# Altium PCB SPCB.PcbDoc (continued)
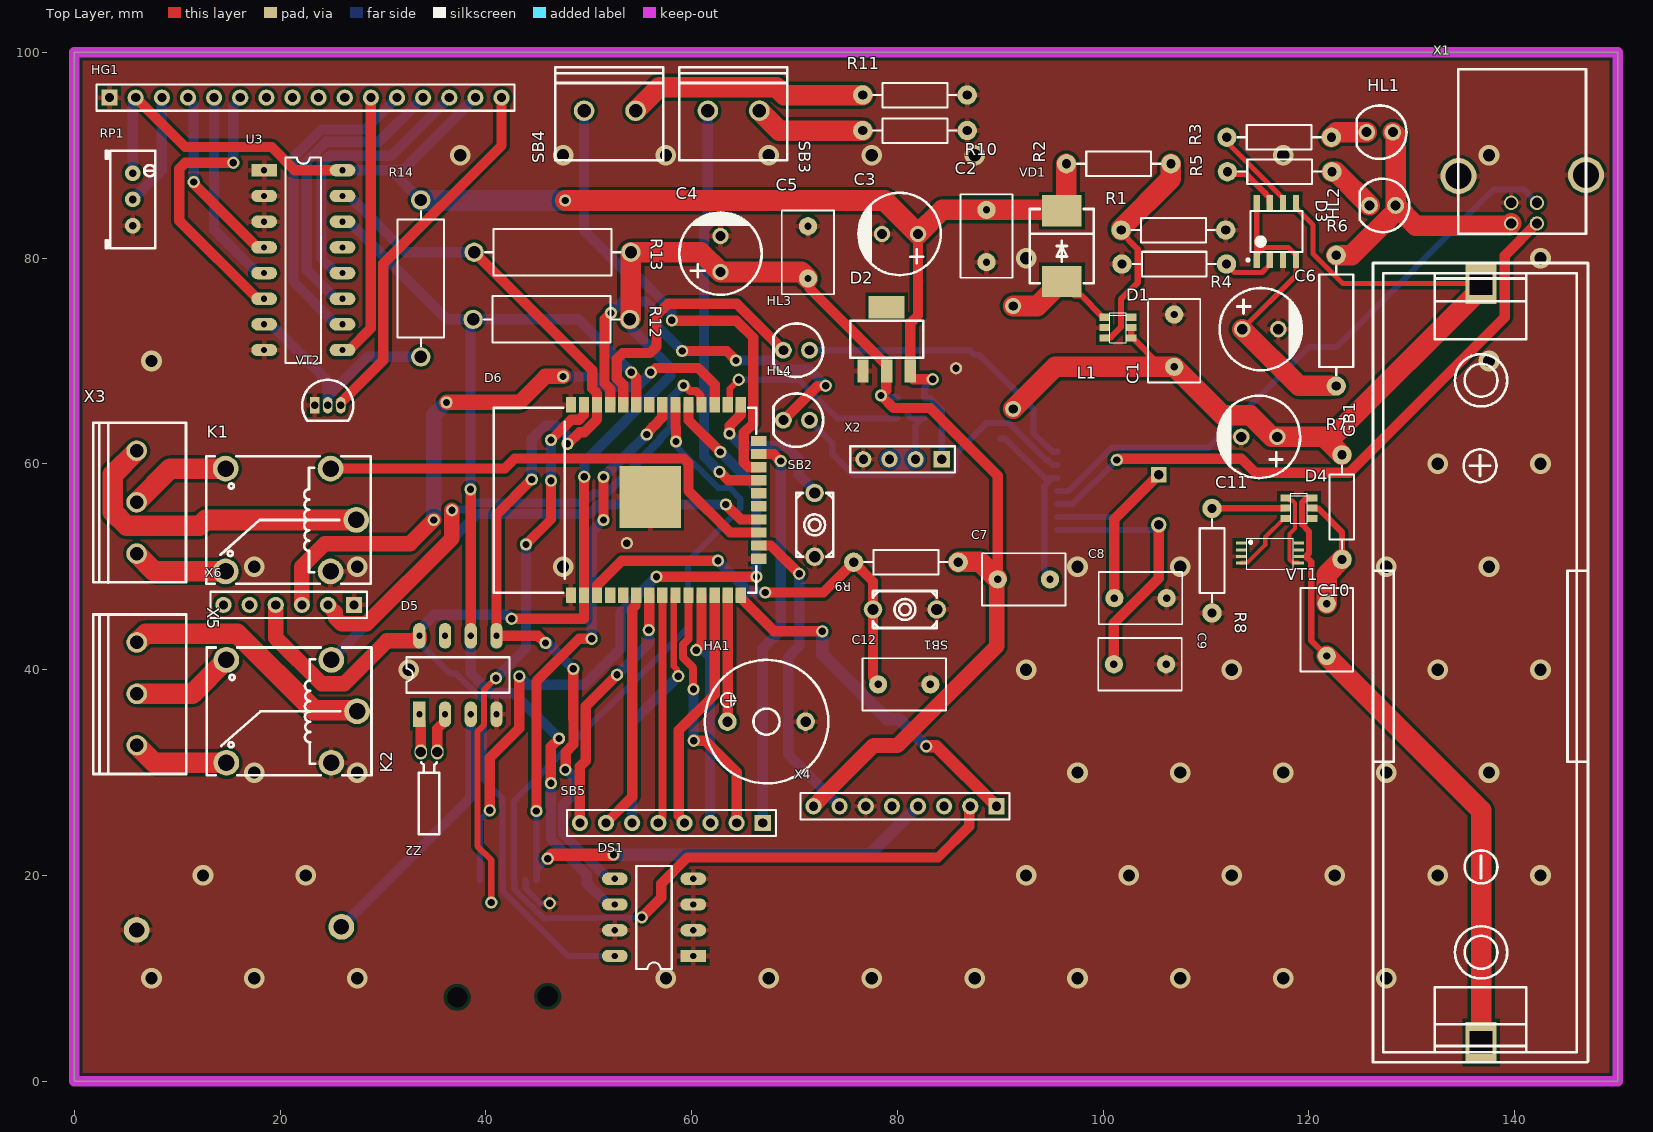
[diagram p0: Top Layer view]
## Footprints (in the part's own frame and the unit in brackets; to place one, negate y for a bottom-side part, rotate by r counter-clockwise, add the part's x,y. Pads: shape width x height; smd on the part's side, far side on the other; paste and mask are expansions set on the pad) (continued)
"X PBS-16" [mil]
  rect 62x62 hole 35: 1(-750,0)
  round 62 hole 35: 2(-650,0) 3(-550,0) 4(-450,0) 5(-350,0) 6(-250,0) 7(-150,0) 8(-50,0) 9(50,0) 10(150,0) 11(250,0) 12(350,0) 13(450,0) 14(550,0) 15(650,0) 16(750,0)
  silkscreen extent -800,-50 800,50, body extent -801,-50 799,50, height 326
"X PLS-4R" [mil]
  rect 62x62 hole 35: 1(-150,0)
  round 62 hole 35: 2(-50,0) 3(50,0) 4(150,0)
  silkscreen extent -200,-50 200,50, body extent -200,-47 200,293, height 219
"X PLS-6" [mil]
  rect 62x62 hole 35: 1(-250.24,-0.28)
  round 62 hole 35: 2(-150.24,-0.28) 3(-50.24,-0.28) 4(49.76,-0.28) 5(149.76,-0.28) 6(249.76,-0.28)
  silkscreen extent -300,-50 300,50, body extent -300,-50 300,50, height 336
"X PLS-8" [mil]
  rect 62x62 hole 35: 1(-349.21,0)
  round 62 hole 35: 2(-249.21,0) 3(-149.21,0) 4(-49.21,0) 5(50.79,0) 6(150.79,0) 7(250.79,0) 8(350.79,0)
  silkscreen extent -399,-50 401,50, body extent -399,-49 401,51, height 336
"X USBB-1J" [mm]
  round 1.4 hole 1: 1(7.001,-1.069) 2(7.001,1.43) 3(5.001,1.43) 4(5.001,-1.069)
  round 3.5 hole 2.5: 4(2.291,6.201) 4(2.4,-6.2)
  silkscreen extent -8,-6.2 8.02,6.2, body extent -8.05,-7.13 8.05,7.18, height 10.82
"Z DT-26" [mm]
  oval 1.2x1.5 hole 1: 1(-0.8,-1) 2(0.8,-1)
  silkscreen extent -1,-0.02 1,7, body extent -0.99,-0.57 1,6.57, height 2
"Z HC-49" [mm]
  rect 1.5x1.5 hole 0.9: 1(-2.438,0)
  round 1.5 hole 0.9: 2(2.438,0)
  silkscreen extent -5.74,-2.5 5.74,2.5, body extent -5.4,-2.25 5.4,2.25, height 3.5

## Part data
D1: "Повышающий преобразователь.", Case=SOT-23-6, Manufacturer=AEROSEMI, ComponentLink1Description=HelpURL, ComponentLink2Description=Datasheet, ComponentLink2URL=https://prom-electric.ru/media/MT3608.pdf, ComponentLink3Description=Store, Model=MT3608
D2: library part AMS1117, "Стабилизатор напряжения.", Case=SOT-223, Manufacturer="Advanced Monolithic Systems", Voltage=3.3, ComponentLink1Description=Datasheet, ComponentLink1URL=http://www.advanced-monolithic.com/pdf/ds1117.pdf, ComponentLink2Description=Store, ComponentLink2URL=https://aliexpress.ru/item/4000453803123.html?spm=a2g0s.9042311.0.0.543133edCjZ4Pa, Model=AMS1117-3.3
D3: library part TP4056, "Контроллер зарядки батарейки.", Case=SOP-8, Manufacturer="NanJing Top Power ASIC Corp.", ComponentLink1Description=Datasheet, ComponentLink1URL=https://static.chipdip.ru/lib/977/DOC002977110.pdf, ComponentLink2Description=Store, ComponentLink2URL=https://aliexpress.ru/item/32982194674.html?spm=a2g0s.9042311.0.0.75c333eday2Luc, ComponentLink3Description=HelpURL, Model=TP4056E
D4: library part DW01, "Защита для литиевого аккумулятора.", Case=SOT-23-6, Manufacturer="Shenzhen H&M Semiconductor Co. Ltd.", ComponentLink1Description=Datasheet, ComponentLink1URL=http://hmsemi.com/downfile/DW01A.PDF, ComponentLink2Description=Store, ComponentLink2URL=https://aliexpress.ru/item/32984691553.html?spm=a2g0s.9042311.0.0.543133edCjZ4Pa, ComponentLink3Description=HelpURL, Model=DW01A
D5: "Часы реального времени.", Manufacturer="Dallas Semiconductor", ComponentLink1Description=HelpURL, ComponentLink2Description=Datasheet, ComponentLink2URL=https://www.sparkfun.com/datasheets/Components/DS1307.pdf, ComponentLink3Description=Store, Model=DS1307
D6: library part ESP32-WROOM, Manufacturer="Espressif Systems", ComponentLink1Description=Datasheet, ComponentLink1URL=https://www.espressif.com/sites/default/files/documentation/esp32-wroom-32_datasheet_en.pdf, ComponentLink2Description=Store, ComponentLink3Description=HelpURL, Model=ESP32-WROOM-32
DS1: library part AT24C, "Перезаписываемая постоянная память.", Case=PDIP-8, Manufacturer=Atmel, ComponentLink1Description=Datasheet, ComponentLink1URL=http://ww1.microchip.com/downloads/en/devicedoc/atmel-8720-seeprom-at24c512c-datasheet.pdf, ComponentLink2Description=HelpURL, ComponentLink2URL=https://www.microchip.com/wwwproducts/en/AT24C512C, ComponentLink3Description=Store, ComponentLink3URL=https://aliexpress.ru/item/32598383117.html?spm=a2g0s.9042311.0.0.3da233edDDspR7, Device Revision=B, Memory Size="512 kbit", Model=AT24C512PI27
GB1: library part Батарея, Capacity=2200mAh, Case=18650, Manufacturer=LG, ComponentLink1Description=Store, ComponentLink2Description=HelpURL, ComponentLink3Description=Datasheet, ComponentLink3URL=https://www.tme.eu/Document/851884e7c9339fa73b5bf66663baac51/ACCU-ICR18650-2.2.pdf, Model=LGAAS31865, Voltage=3.6V
GB2: library part Батарея, Case=CR2032, ComponentLink1Description=Store, ComponentLink2Description=HelpURL, ComponentLink3Description=Datasheet, Voltage=3.3V
HA1: library part Пьездодинамик, ComponentLink1Description=Datasheet, ComponentLink2Description=Store, Model=TMB12A05
HG1: library part "LCD HD44780", "Дисплей на основе контроллера HD44780.", CharacterResolution=5x7, ComponentLink1Description=Store, ComponentLink2Description=Datasheet, ComponentLink3Description=HelpURL, Model=LCD1602, ScreenResolution=16x2, Type=LCD
HL1 HL3: library part Светодиод, Case=D5.0, Color=Red, ComponentLink1Description=Datasheet, ComponentLink2Description=HelpURL, ComponentLink3Description=Store, Model=LED-Red
HL2: library part Светодиод, Case=D5.0, Color=Blue, ComponentLink1Description=Datasheet, ComponentLink2Description=HelpURL, ComponentLink3Description=Store, Model=LED-Blue
HL4: library part Светодиод, Case=D5.0, Color=Green, ComponentLink1Description=Datasheet, ComponentLink2Description=HelpURL, ComponentLink3Description=Store, Model=LED-Blue
K1 K2: library part "Реле SRD-05VDC", Manufacturer="Ningbo Songle", MaxCurrent=20A, Temperature=-40...+85°C, VoltageControlCoil=5VDC, VoltageMax=250VAC, ComponentLink1Description=Store, ComponentLink2Description=Datasheet, ComponentLink2URL=https://www.circuitbasics.com/wp-content/uploads/2015/11/SRD-05VDC-SL-C-Datasheet.pdf, ComponentLink3Description=HelpURL, Model=SRA-05VDC-CL, TypeRelay="Electromechanics relay"
L1: library part "Катушка индуктивности", Case=D13xH14, Manufacturer=Bourns, ComponentLink1Description=HelpURL, ComponentLink2Description=Datasheet, ComponentLink2URL=https://static.chipdip.ru/lib/229/DOC000229038.pdf, ComponentLink3Description=Store, ComponentLink3URL=https://www.chipdip.ru/product/rlb1314-220kl, Model=RLB1314-220KL
R1 R2 R3 R4 R5 R7 R8: library part "Резистор 0.25 Вт", Case=Axial, Power=0.25, ComponentLink1Description=Datasheet, ComponentLink2Description=HelpURL, ComponentLink3Description=Store
  R1: ComponentLink3URL=https://www.chipdip.ru/product0/62558
  R2: ComponentLink3URL=https://www.chipdip.ru/product0/37292
R6: library part "Резистор 0.5 Вт", Case=Axial, Power=0.5, ComponentLink1Description=Datasheet, ComponentLink2Description=HelpURL, ComponentLink3Description=Store
R9 R10 R11: library part "Резистор 0.25 Вт", Power=0.25, ComponentLink1Description=Datasheet, ComponentLink2Description=HelpURL, ComponentLink3Description=Store
R12 R13 R14: library part "Резистор 1 Вт", Case=Axial, Power=1, ComponentLink1Description=Datasheet, ComponentLink2Description=HelpURL, ComponentLink3Description=Store, ComponentLink3URL=https://www.chipdip.ru/product0/1122?from=suggest_product, Model=CF-1W-4K7J
RP1: library part "Подстроечный Резистор", ComponentLink1Description=Datasheet, ComponentLink2Description=HelpURL, ComponentLink3Description=Store
SB1 SB2 SB3 SB4: library part Кнопка, ComponentLink1Description=Store, ComponentLink2Description=Datasheet, ComponentLink3Description=HelpURL, Model=TC-0120
U1: "Преобразователя интерфейса USB в UART.", Case=SOP-16, Manufacturer="Nanjing Qinheng Microelectronics Co. Ltd.", ComponentLink1Description=HelpURL, ComponentLink1URL=http://mypractic.ru/mikrosxema-ch340g-preobrazovatel-interfejsa-usb-v-uart-most-usb-uart-xarakteristiki-usloviya-ekspluatacii-tipovye-sxemy-vklyucheniya.html, ComponentLink2Description=Datasheet, ComponentLink2URL=http://www.wch-ic.com/products/CH340.html?from=search&q=eyJpdiI6InNwMEdrWnhCbzlTczZhZUM2cncxVHc9PSIsInZhbHVlIjoia0FTMDlncDFNZ29zQmJ2ZGJZOTBCZz09IiwibWFjIjoiZGE4NTAzZGQ0ZWQzNzFmMTZkZWFhMWYwOTExNzExNWI5YjhlMzUwMjE3NzYxMzc5MWI2ZmFmZTVlMDQ3ZDAwZiJ9, ComponentLink3Description=Store, Model=CH340G
U2: "Преобразователь уровня логического сигнала.", Case=SOT23-6, Manufacturer="Texas Instruments", ComponentLink1Description=HelpURL, ComponentLink2Description=Datasheet, ComponentLink2URL=http://www.ti.com/lit/ds/symlink/sn74lvc1t45.pdf, ComponentLink3Description=Store, ComponentLink3URL=https://www.chipdip.ru/product/sn74lvc1t45dbvr, Model=SN74LVC1T45
U3: library part PCF8574, "IIC расширитель.", ComponentLink1Description="Datasheet №1", ComponentLink1URL=https://www.nxp.com/docs/en/data-sheet/PCF8574_PCF8574A.pdf, ComponentLink2Description="Datasheet №2", ComponentLink2URL=http://www.ti.com/lit/ds/symlink/pcf8574.pdf, ComponentLink3Description=HelpURL, ComponentLink4Description=Store, Model=PCF8574P
VD1: library part "Диод Шотки", Case=SMC, ComponentLink1Description=Datasheet, ComponentLink2Description=HelpURL, ComponentLink3Description=Store, ComponentLink3URL=https://www.chipdip.ru/product/ss34-5, Model=SS34
VT1: library part FS8205, "Транзисторная сборка. Если корпус SOIC-8, то смотри подробное условное обозначение. Пины 2 и 5 находятся по середине, в внутренней схеме они соеденины.", Case=TSSOP-8, Manufacturer="Fortune Semiconductor Corp.", ComponentLink1Description=Datasheet, ComponentLink1URL=https://www.ic-fortune.com/upload/Download/FS8205A-DS-12_EN.pdf, ComponentLink2Description="Detailed symbol", ComponentLink2URL=https://go-radio.ru/images/8205a.png, ComponentLink3Description=Store, ComponentLink3URL=https://aliexpress.ru/item/4000453813065.html?spm=a2g0s.9042311.0.0.75c333eday2Luc, ComponentLink4Description=HelpURL, Model=FS8205A
VT2: library part "Биполярный Транзистор", ComponentLink1Description=Datasheet, ComponentLink2Description=HelpURL, ComponentLink3Description=Store, Model=SS8050
X1: library part "USB B", Manufacturer=Molex, ComponentLink1Description=Store, ComponentLink1URL=https://www.chipdip.ru/product/usbb-1j-ds1099-b, ComponentLink2Description=Datasheet, ComponentLink3Description=HelpURL, Model=USBB-1J, TypeConnector="USB B"
X2 X6: CurrentMax=3A, Manufacturer=Connfly, VoltageMax=500VAC, ComponentLink1Description=Store, Pitch=2.54mm, TypeConnector=Connector
  X2: CommentText=HC-SR04, Model=PLS-4, Multichannel=4pin, Text1=Vcc, Text2=Trip, Text3=Echo, Text4=GND
  X6: CommentText=FPM10A, Model=PLS-6, Multichannel=6pin, Text1=GND, Text2=RX, Text3=TX, Text4=Vcc, Text5=NC, Text6=NC
X3 X5: library part "Винтовой Клеммник 3 Pin", CurrentMax=10A, VoltageMax=300VAC, CommentText="\"Разъем для", Model=306-031-12, Multichannel=3pin, Pitch=3.5mm, Text1=OUT, Text2=NO, Text3=NC, TypeConnector="Terminal connector"
X4: library part PLS/PBS-8, CurrentMax=3A, VoltageMax=500VAC, CommentText=RC522, ComponentLink1Description=Store, Model=PLS-8, Multichannel=8pin, Pitch=2.54mm, Text1=RX/SDA/SS, Text2=SCK, Text3=MOSI, Text4=TX/SCL/MISO, Text5=IRQ, Text6=GND, Text7=RST, Text8=Vcc, TypeConnector=Connector
XS1: "Слот для карты памяти.", Manufacturer=Molex, ComponentLink1Description=Store, ComponentLink2Description=Datasheet, ComponentLink3Description=HelpURL, ComponentLink3URL=https://kicad-info.s3-us-west-2.amazonaws.com/original/2X/8/8d1dbfabaa90b65dad4965a185d7e55230d35003.png, TypeConnector=microSD
Z1 Z2: library part "Кварцевый Резонатор", ComponentLink1Description=Store, ComponentLink2Description=Datasheet, ComponentLink3Description=HelpURL
  Z1: Frequency=12MHz, Model=HC-49
  Z2: Frequency=32.768kHz
С1 С2: library part Конденсатор, Case=1206, Voltage=50, ComponentLink1Description=Datasheet, ComponentLink2Description=HelpURL, ComponentLink3Description=Store
С3: library part "Конденсатор Полярный", Case=D8, Manufacturer=JB, Voltage=50V, ComponentLink1Description=Datasheet, ComponentLink1URL=https://static.chipdip.ru/lib/338/DOC004338199.pdf, ComponentLink2Description=HelpURL, ComponentLink3Description=Store, ComponentLink3URL=https://www.chipdip.ru/product0/9000565894, Model=JRB1H101M03500800120000B
С4: library part "Конденсатор Полярный", Case=D8, Manufacturer=JB, Voltage=16V, ComponentLink1Description=Datasheet, ComponentLink1URL=https://static.chipdip.ru/lib/338/DOC004338199.pdf, ComponentLink2Description=HelpURL, ComponentLink3Description=Store, ComponentLink3URL=https://www.chipdip.ru/product0/9000565914, Model=JRB1C471M03500800120000B
С5 С7 С10 С12: library part Конденсатор, Case=0805, Voltage=50, ComponentLink1Description=Datasheet, ComponentLink2Description=HelpURL, ComponentLink3Description=Store, ComponentLink3URL=https://www.chipdip.ru/product0/77059545, Model=К10-17Б
С6 С11: library part "Конденсатор Полярный", Case=D8, Manufacturer=EPCOS, Voltage=160V, ComponentLink1Description=Datasheet, ComponentLink1URL=https://static.chipdip.ru/lib/279/DOC000279577.pdf, ComponentLink2Description=HelpURL, ComponentLink3Description=Store, ComponentLink3URL=https://www.chipdip.ru/product0/9000383641, Model=B43851
С8 С9: library part Конденсатор, ComponentLink1Description=Datasheet, ComponentLink2Description=HelpURL, ComponentLink3Description=Store

## Free pads (board coordinates)
  round 1.194 hole 0.711: 3(15.45,89.275) 10(38.5,57.525) 13(44.464,58.489) 14(47.925,61.95) 15(49.55,58.75) 16(58.475,62.175) 17(44.908,26.258) 18(50.275,43) 19(51.425,54.55) 20(51.425,58.725) 21(55.625,62.85) 22(40.375,26.325) 23(43.25,39.35) 26(62.788,61.162) 27(66.3,49.025) 28(56.575,49.025) 29(83.425,68.226) 30(78.4,66.65) 31(64.575,68.175) 32(52.155,74.675) 33(59.074,70.975) 34(64.3,70.05) 35(73.025,67.6) 37(60.2,33.1) 38(60.175,38.1) 40(60.45,41.9) 42(58.7,39.375) 43(52.75,39.5) 45(55.825,43.85) 46(68.65,60.275) 48(40.525,17.375) 49(40.975,39.175) 50(43.9,52.175) 51(46.325,62.326) 52(46.325,58.375) 53(46.325,28.975) 55(47.113,33.313) 57(42.5,44.95) 58(47.725,30.275) 61(48.5,40.075) 62(45.8,42.6) 63(34.925,54.55) 64(36.175,65.975) 65(47.5,68.5) 66(56.025,68.9) 67(36.7,55.5) 69(59.2,67.625) 70(63.675,62.95) 73(62.55,50.6) 74(67.15,47.5) 75(70.45,49.325) 76(52.4,22.025) 77(46.013,21.638) 78(82.8,32.55) 79(72.7,43.725) 80(55.15,15.925) 81(101.325,60.375) 84(47.7,85.6) 85(46.2,17.3) 87(53.7,52.3) 88(85.7,69.3) ""(11.597,87.399) ""(54.125,68.9) ""(58.075,73.95) ""(62.7,59.225) ""(63.325,56.05)

## Via types
v1: diameter 2, hole 1.2, Top Layer to Bottom Layer, 52 vias

## Nets (pads, with @x,y where several pads share a name; then routed paths per layer and width w, separated by ;. In a path a pad name is that pad's centre, name@x,y a point inside that pad or via, vN(x,y) a via of type N, cw(c..) or ccw(c..) an arc to the next point about the centre after c; other vN are vias at no path point)
+3.3: D2.2 D5.8 D6.2 DS1.8 pad.15 pad.30 pad.57 R9.2 R12.2 R13.2 U2.6 X4.8 X6.4 XS1.4 С4.1 С5.2 С7.1 | length 215.3
  Top Layer w1: pad.57@42.625,44.95 49.532,44.936 D6.2 49.532,57.73 pad.15 ; С5.2 71.449,77.871 71.449,77.082 78.955,69.576 D2.2 78.905,68.976 78.905,67.155 ; pad.30 79.625,65.425 83.175,65.425 89.745,58.855 С7.1
  Top Layer w1.2: С7.1@89.634,48.886 С7.1
  Top Layer w1.5: X6.4 19.57,43.103 24.023,38.65 26.239,38.65 30.379,42.791 33.379,42.791 33.529,42.941 D5.8 ; X4.8 71.84,26.745 72.543,27.448 72.543,27.486 77.685,32.629 79.996,32.629 89.634,42.267 С7.1@89.634,48.886
  Top Layer w2: R12.2 54.095,74.15 R13.2 60.875,80.575 С4.1 70.67,78.65 С5.2 ; R9.2 85.955,50.5 88.02,50.5 С7.1@89.634,48.886
  Bottom Layer w0.6: D5.8 33.529,42.641 36.548,39.622 37.138,39.622 39.829,36.931 39.829,29.264 41.606,27.487 XS1.4 41.657,19.483 41.657,18.466 47.947,12.175 DS1.8 ; pad.30 78.561,66.65 78.736,66.475 79.95,66.475 U2.6
  Bottom Layer w1: D5.8 33.529,43.887 34.984,45.341 42.057,45.341 42.448,44.95 pad.57 ; pad.15 49.587,58.787 49.587,60.199 57.93,68.542 57.93,69.37 54.163,73.137 54.163,73.882 R12.2
+5: D2.3 HG1.2 HG1.15 pad.29 pad.84 R2.2 R14.1 RP1.1 U2.1 U3.16 VD1.2 X2.1 С2.1 С3.1 | length 145.5
  Top Layer w0.6: D2.3 81.255,68.476 D2.3@81.505,68.226
  Top Layer w1: HG1.2 10.76,90.8 19.173,90.8 21.427,88.546 U3.16 ; D2.3 81.255,73.684 82,74.429 С3.1 ; D2.3@81.505,68.226 pad.29
  Top Layer w2: pad.84 78.75,85.6 С3.1 84.341,84.691 С2.1 95.894,84.691 VD1.2 96.42,85.055 R2.2
  Bottom Layer w0.6: pad.29 82.6,67.401 U2.1 82.65,66.375 83.207,66.375 84.305,65.277 X2.1
  Bottom Layer w1: RP1.1 5.675,95.159 5.96,95.444 HG1.2 ; U3.16 30.774,88.546 ; R14.1@33.72,85.6 R14.1 30.774,88.546 ; HG1.15 31.926,88.546 30.774,88.546
  Bottom Layer w2: R14.1@33.72,85.6 pad.84
GND: D1.2 D2.1 D3.3 D5.4 D6.1 D6.15 D6.38 DS1.1 DS1.2 DS1.3 DS1.4 DS1.7 GB2.1 HA1.2 HG1.1 K1.1 K2.1 pad.85 pad.87 pad.88 R1.2 R4.1 R8.1 R10.1 R11.1 RP1.3 SB1.1 SB2.2 U1.1 U2.2 U3.1 U3.2 U3.3 U3.8 VT1.3 VT2.1 X1.4 X2.4 X4.6 X6.1 XS1.6 С1.2 С2.2 С3.2 С4.2 С5.1 С6.2 С8.2 С9.2 С11.2 С12.2 | length 4.2
  Top Layer w0.5: D3.3 D3.3@117.46,80.3
  Bottom Layer w0.6: XS1.6 43.866,19.483 43.866,18.756 44.057,18.565 44.057,18.526 45.283,17.3 pad.85
  other v1: 7.5,10 17.5,10 27.5,10 57.5,10 67.5,10 77.5,10 87.5,10 97.5,10 107.5,10 117.5,10 127.5,10 12.5,20 22.5,20 92.5,20 102.5,20 112.5,20 122.5,20 132.5,20 142.5,20 17.5,30 27.5,30 97.5,30 107.5,30 117.5,30 127.5,30 137.5,30 32.5,40 92.5,40 112.5,40 132.5,40 142.5,40 17.5,50 27.5,50 47.5,50 97.5,50 107.5,50 127.5,50 137.5,50 132.5,60 142.5,60 7.5,70 137.5,70 92.5,80 142.5,80 37.5,90 47.5,90 57.5,90 67.5,90 77.5,90 87.5,90 117.5,90 137.5,90
K0: D6.23 pad.46 SB5.1 | length 38.3
  Top Layer w1: D6.23 67.97,60.955 pad.46
  Bottom Layer w1: SB5.1 66.915,42.064 68.65,43.799 pad.46
K1: D6.10 pad.37 pad.38 SB5.2 | length 25.2
  Top Layer w0.8: D6.10 59.692,42.976 59.153,42.437 59.153,41.174 60.138,40.19 60.138,38.137 pad.38
  Top Layer w1: pad.37 61.325,33.1 64.375,30.05 SB5.2
  Bottom Layer w1: pad.38 60.175,33.125 pad.37
K2: D6.11 pad.40 SB5.3 | length 23.4
  Top Layer w1: pad.40 60.45,41.952 60.962,42.465 D6.11
  Bottom Layer w1: pad.40 61.175,41.9 61.775,41.3 61.775,25.16 SB5.3
K3: D6.12 SB5.4 | length 23.8
  Top Layer w1: SB5.4 59.295,25.256 58.75,25.801 58.75,34.108 62.232,37.591 D6.12
K4: D6.8 SB5.5 | length 22.3
  Top Layer w0.8: SB5.5 56.755,25.256 57.152,25.653 D6.8
K5: D6.9 pad.42 SB5.6 | length 24.3
  Top Layer w0.6: D6.9@58.475,47.186 D6.9 58.253,47.07 58.253,40.341 58.586,40.008 58.586,39.489 pad.42
  Bottom Layer w1: SB5.6 54.215,34.89 pad.42
K6: D6.6 SB5.7 | length 23.4
  Top Layer w1: SB5.7 54.225,27.65 54.225,45.881 54.543,46.198 54.543,46.626 54.612,46.695 D6.6
K7: D6.7 pad.43 pad.45 SB5.8 | length 24.9
  Top Layer w1: SB5.8 49.135,30.57 49.71,31.145 49.71,36.46 pad.43 ; pad.45 55.825,43.902 55.882,43.96 D6.7
  Bottom Layer w1: pad.43 55.825,42.575 pad.45
NetD1_1: D1.1 L1.1 VD1.1 | length 11.4
  Top Layer w0.6: VD1.1@96.025,77.59 97.24,76.375 97.85,76.375 99.975,74.25 D1.1
  Top Layer w2: L1.1 93.59,75.35 95.83,77.59 96.025,77.59 VD1.1@96.125,77.59 ; VD1.1 VD1.1@96.075,77.74
NetD1_3: D1.3 R1.1 R2.1 | length 21.3
  Top Layer w0.6: D1.3 100.175,72.3 100.732,72.3 101.725,73.293 101.725,75.988 103.36,77.623 103.36,80.88 R1.1@101.54,82.7
  Top Layer w2: R1.1 101.745,82.905 106.58,87.74 R2.1
NetD1_4: D1.4 D1.5 D3.5 GB1.2 L1.2 R7.2 С1.1 С11.1 | length 88.4
  Top Layer w0.5: D3.5 118.73,84.9 120.406,83.224 120.406,80.412 123.293,77.525 GB1.2
  Top Layer w0.6: D1.5 D1.4 102.875,72.25 105.465,69.66 106.675,69.66 С1.1
  Top Layer w2: L1.2 95.335,69.435 С1.1 111.61,64.725 114.295,64.725 116.395,62.625 С11.1 121.455,62.625 ; R7.2 121.455,62.625 ; GB1.2 136.725,77.025 122.325,62.625 121.455,62.625
NetD3_1: D3.1 D3.4 D3.8 R6.2 С6.1 | length 30.7
  Top Layer w0.5: С6.1 118.73,78.305 D3.4 118.73,80.3 117.98,81.05 115.67,81.05 D3.1@114.92,80.3 ; D3.1@114.92,79.35 D3.1 D3.1@114.92,80.3 ; D3.8 D3.1@114.92,80.3
  Top Layer w2: С6.1 119.025,67.6 R6.2@122.125,67.6
NetD3_2: D3.2 R4.2 | length 5.6
  Top Layer w0.5: R4.2@111.65,79.35 112.023,79.35 112.773,78.6 115.44,78.6 116.19,79.35 D3.2
NetD3_6: D3.6 R3.2 | length 8.6
  Top Layer w0.5: R3.2 112.284,91.486 112.284,91.026 117.46,85.85 D3.6
NetD3_7: D3.7 R5.2 | length 5.7
  Top Layer w0.6: R5.2 112.303,88.167 113.91,88.167 115.766,86.311 115.766,86.274 116.19,85.85 D3.7
NetD4_1: D4.1 VT1.5 | length 7.9
  Top Layer w0.4: D4.1 117.875,56.7 118.125,56.45 118.391,56.45 118.625,56.216 118.625,53.712 118.1,53.188 118.1,50.684 118.384,50.4 118.95,50.4 VT1.5
NetD4_2: D4.2 R8.2 | length 7.7
  Top Layer w0.6: R8.2@110.375,55.825 R8.2@110.575,55.625 ; R8.2@110.375,55.875 R8.2 110.588,55.687 117.713,55.687 D4.2
NetD4_3: D4.3 VT1.4 | length 6.6
  Top Layer w0.4: VT1.4 113.45,50.4 114.016,50.4 115.745,52.13 115.745,52.87 117.575,54.7 D4.3
NetD4_5: D4.5 R7.1 С10.2 | length 11.4
  Top Layer w0.6: D4.5 120.375,55.65 120.932,55.65 123.2,53.382 R7.1
  Top Layer w2: С10.2 121.725,49.245 R7.1
NetD4_6: D4.6 GB1.1 VT1.6 С10.1 | length 61.1
  Top Layer w0.6: D4.6 120.275,56.65 119.718,56.65 119.325,56.257 119.325,54.112 120,53.438 120,51.293 119.707,51 120.225,50.482 120.225,42.835 С10.1
  Top Layer w2: С10.1 136.725,26.335 GB1.1
NetD5_1: D5.1 Z2.2 | length 3.7
  Top Layer w1: D5.1 33.529,35.021 33.675,34.875 Z2.2
NetD5_2: D5.2 Z2.1 | length 4
  Top Layer w1: Z2.1 35.275,34.25 36.029,35.004 D5.2
NetD5_3: D5.3 GB2.2 | length 25.9
  Bottom Layer w1: GB2.2 38.529,27.579 D5.3
NetD5_5: D5.5 D6.36 DS1.5 pad.13 pad.14 pad.58 pad.61 pad.62 R13.1 U3.15 | length 98.7
  Top Layer w1: R13.1 50.328,69.102 50.328,67.327 50.802,66.853 D6.36 50.802,64.332 49.55,63.08 49.107,63.08 47.977,61.95 pad.14 ; pad.13 41.029,55.054 D5.5 45.057,43.291 45.748,42.6 pad.62 ; pad.58 47.762,30.312 47.762,31.987 48.51,32.734 48.51,35.19 48.5,35.2 pad.61
  Bottom Layer w1: U3.15 26.716,86.046 32.186,80.575 R13.1 ; pad.13 44.464,62.44 45.746,63.722 46.904,63.722 47.888,62.738 47.888,61.987 pad.14 ; pad.62 45.975,42.6 pad.61 ; pad.58@47.8,30.275 48.7,29.375 48.7,28.025 47.525,26.85 47.525,24.03 51.88,19.675 DS1.5
NetD5_6: D5.6 D6.33 DS1.6 pad.10 pad.53 pad.55 pad.@54.125,68.9 R12.1 U3.14 | length 102.7
  Top Layer w1: pad.10 38.529,57.496 D5.6 ; pad.53 46.3,29 46.3,32.5 pad.55 ; pad.@54.125,68.9 54.125,68.848 54.612,68.36 D6.33
  Bottom Layer w1: U3.14 26.716,83.546 36.211,74.05 R12.1 ; pad.10 38.5,73.557 38.755,73.812 R12.1 ; D5.6 38.529,39.645 40.454,37.721 42.705,37.721 pad.55 ; pad.53 46.325,23.533 49.813,20.045 49.813,19.242 51.88,17.175 DS1.6 ; pad.@54.125,68.9 48.975,74.05 R12.1
NetD6_3: D6.3 pad.73 pad.74 R9.1 SB1.2 С12.1 | length 42.3
  Top Layer w1: D6.3 50.803,48.21 53.193,50.6 pad.73 ; pad.74 72.795,47.5 R9.1 77.625,48.57 SB1.2 77.625,39.281 78.12,38.786 С12.1
  Bottom Layer w1: pad.73 65.613,47.537 67.113,47.537 pad.74
NetD6_13: D6.13 HA1.1 | length 12.3
  Top Layer w1: HA1.1 63.502,34.977 D6.13
NetD6_14: D6.14 pad.78 pad.79 X4.1 | length 34.8
  Top Layer w1: D6.14 64.772,46.989 68.036,43.725 pad.79
  Top Layer w1.2: pad.78 83.795,32.55 X4.1
  Bottom Layer w1.2: pad.79 72.7,41.465 78.973,35.192 80.158,35.192 pad.78
NetD6_16: D6.16 pad.75 X4.7 | length 30.2
  Top Layer w1: D6.16 67.71,52.065 pad.75
  Bottom Layer w1: pad.75 70.45,42.297 69.375,41.222 69.375,31.73 X4.7
NetD6_17: D6.17 K1.2 | length 46.6
  Top Layer w1: K1.2 41.821,59.55 42.796,60.525 59.238,60.525 59.684,60.079 59.684,57.391 63.74,53.335 D6.17
NetD6_18: D6.18 K2.2 pad.@63.325,56.05 | length 48.4
  Top Layer w1: pad.@63.325,56.05 64.77,54.605 D6.18
  Bottom Layer w1: K2.2 39.154,55.128 50.028,55.128 50.949,56.05 pad.@63.325,56.05
NetD6_21: D6.21 pad.@62.7,59.225 SB3.1 | length 40
  Top Layer w1: pad.@62.7,59.225 62.752,59.225 63.562,58.415 D6.21
  Bottom Layer w1: SB3.1 61.575,83.188 61.2,82.813 61.2,60.725 pad.@62.7,59.225
NetD6_22: D6.22 pad.@58.075,73.95 SB4.1 | length 47.1
  Top Layer w1: pad.@58.075,73.95 58.1,73.925 64.338,73.925 65.973,72.29 65.973,63.914 65.074,63.015 65.074,60.165 65.554,59.685 D6.22
  Bottom Layer w1: SB4.1 49.541,82.668 53.396,78.814 54.183,78.814 58.038,74.959 58.038,73.987 pad.@58.075,73.95
NetD6_25: D6.25 pad.70 SB2.1 | length 14.9
  Top Layer w1: pad.70 63.712,62.987 63.712,63.699 64.772,64.759 D6.25
  Bottom Layer w1: pad.70 64.891,61.734 69.167,61.734 70.383,60.518 70.383,58.959 71.95,57.391 SB2.1
NetD6_26: D6.26 pad.31 U2.4 | length 19.9
  Top Layer w0.6: D6.26 63.703,65.931 63.703,67.303 pad.31
  Bottom Layer w0.6: pad.31 70.418,68.175 74.168,64.425 U2.4
NetD6_29: D6.29 pad.22 pad.23 pad.26 pad.27 pad.28 XS1.2 | length 70.7
  Top Layer w1: pad.22 40.375,31.426 43.25,34.301 pad.23 ; pad.28 pad.27 ; D6.29 59.693,64.257 pad.26
  Bottom Layer w0.6: XS1.2 39.422,25.372 pad.22
  Bottom Layer w1: pad.23 44.075,38.525 49.6,38.525 53.1,42.025 53.1,45.55 pad.28 ; pad.26 66.3,57.65 pad.27
NetD6_30: D6.30 pad.16 pad.80 X4.2 XS1.5 | length 111.3
  Top Layer w1: pad.80 57.054,17.829 57.054,19.208 59.587,21.742 83.942,21.742 86.97,24.77 86.97,26.615 X4.2 ; D6.30 58.423,63.555 58.475,63.502 pad.16
  Bottom Layer w0.6: pad.80 45.88,15.827 45.876,15.827 45.625,15.827 42.774,18.678 42.774,19.483 XS1.5 42.724,27.211 59.65,44.137 59.65,50.6 64.722,55.672 64.722,56.629 63.686,57.664 62.561,57.664 58.475,61.75 pad.16
NetD6_31: D6.31 pad.17 pad.18 pad.19 pad.20 pad.21 pad.76 pad.77 X4.4 XS1.7 | length 92.6
  Top Layer w1: pad.17 44.908,38.858 49.05,43 pad.18 ; pad.19 pad.20 ; pad.21 56.3,63.677 57.152,64.529 D6.31
  Top Layer w1.2: pad.77 46.4,22.025 pad.76
  Bottom Layer w0.6: pad.17 XS1.7 44.959,19.584 44.959,20.575 46.013,21.629 pad.77
  Bottom Layer w1: pad.18 50.275,53.4 pad.19 ; pad.20 51.425,58.75 pad.21
  Bottom Layer w1.2: pad.76 77.3,22.025 X4.4
NetD6_34: D6.34 HL3.2 | length 26.8
  Top Layer w1: D6.34 53.342,67.707 52.728,68.321 52.728,70.189 53.314,70.775 55.952,70.775 56.577,71.4 56.577,74.428 57.724,75.575 64.385,75.575 HL3.2
NetD6_35: D6.35 HL4.2 pad.32 pad.33 pad.34 pad.35 | length 40.4
  Top Layer w1: D6.35 52.072,67.28 51.528,67.824 51.528,74.078 pad.32@52.175,74.725 ; pad.33 63.4,70.975 pad.34@64.25,70.125 ; HL4.2 72.223,67.563 72.988,67.563 pad.35
  Bottom Layer w1: pad.32 52.159,74.675 53.274,75.79 55.51,75.79 56.678,74.622 56.678,73.371 pad.33 ; pad.34 67.611,70.05 68.486,69.175 71.45,69.175 pad.35
NetD6_37: D6.37 pad.48 pad.49 pad.50 pad.51 pad.52 XS1.3 | length 55.8
  Top Layer w0.6: pad.48 40.525,21.505 39.178,22.852 39.178,33.972 39.829,34.624 39.829,38.029 pad.49
  Top Layer w1: pad.50 46.325,54.6 pad.52 ; pad.51 48.279,64.28 49.053,64.28 49.532,64.759 D6.37
  Bottom Layer w0.6: XS1.3 40.514,17.386 pad.48
  Bottom Layer w1: pad.49 43.9,42.1 pad.50 ; pad.52 pad.51
NetHG1_3: HG1.3 RP1.2 | length 11.1
  Bottom Layer w1: RP1.2 8.5,88.535 HG1.3
NetHG1_4: HG1.4 pad.@11.597,87.399 U3.4 | length 18.1
  Top Layer w1: pad.@11.597,87.399 11.6,87.241 17.73,81.111 18.38,81.111 U3.4
  Bottom Layer w1: HG1.4@11.15,95.49 HG1.4 11.04,95.444 11.575,94.909 pad.@11.597,87.399
NetHG1_5: HG1.5 U3.5 | length 19.5
  Bottom Layer w1: HG1.5 13.58,82.761 17.796,78.546 U3.5
NetHG1_6: HG1.6 pad.3 U3.6 | length 28.5
  Top Layer w1: pad.3 10.786,89.275 10.2,88.689 10.2,83.641 17.796,76.046 U3.6
  Bottom Layer w1: pad.3 15.45,94.774 16.12,95.444 HG1.6
NetHG1_11: HG1.11 U3.9 | length 26.1
  Top Layer w1: U3.9 26.716,71.071 28.82,73.175 HG1.11
NetHG1_12: HG1.12 U3.10 | length 31
  Bottom Layer w1: U3.10 25.416,73.571 21.3,77.686 21.3,89.804 23.996,92.5 28.26,92.5 HG1.12
NetHG1_13: HG1.13 U3.11 | length 29
  Bottom Layer w1: U3.11 25.416,76.046 22.6,78.861 22.6,89.407 24.493,91.3 29.6,91.3 HG1.13
NetHG1_14: HG1.14 U3.12 | length 26.9
  Bottom Layer w1: U3.12 25.47,78.546 24.016,80 24.016,89.125 24.836,89.946 30.786,89.946 HG1.14
NetHG1_16: HG1.16 VT2.3 | length 36.4
  Top Layer w1: VT2.3 25.895,65.95 30.02,70.075 30.02,79.45 41.52,90.95 HG1.16
NetHL1_1: HL1.1 HL2.1 R6.1 X1.1 | length 27.5
  Top Layer w2: R6.1 124.141,80.275 128.42,84.554 HL2.1 ; HL1.1 128.42,91.972 HL2.1 ; X1.1 139.435,83.153 130.392,83.153 HL2.1
NetHL1_2: HL1.2 R3.1 | length 3.6
  Top Layer w2: R3.1 122.672,92.242 HL1.2
NetHL2_2: HL2.2 R5.1 | length 5
  Top Layer w2: R5.1 122.605,88.4 HL2.2
NetHL3_1: HL3.1 U1.2 | length 29.6
  Bottom Layer w0.6: HL3.1 87.05,71.05 87.525,70.575 87.987,70.575 93.219,65.343 93.219,62.994 94.614,61.599 94.651,61.599 95.075,61.175 U1.2
NetHL4_1: HL4.1 U1.3 | length 31.6
  Bottom Layer w0.6: HL4.1 73.676,62.024 73.676,60.975 75.701,58.95 85.228,58.95 85.692,59.414 85.692,61.042 88.625,63.975 90.85,63.975 94.45,60.375 94.605,60.375 95.075,59.905 U1.3
NetK1_3: K1.3 X3.3 | length 31.4
  Top Layer w2: X3.3 3.75,58.975 3.75,55.322 5.097,53.975 12.197,53.975 12.774,54.551 K1.3
NetK1_4: K1.4 X3.1 | length 9.4
  Top Layer w2: X3.1 7.775,49.55 K1.4
NetK1_5: K1.5 X3.2 | length 10
  Top Layer w2: X3.2 9.325,59.55 K1.5
NetK2_3: K2.3 X5.3 | length 24.9
  Top Layer w2: X5.3 6.925,43.5 15.831,43.5 23.284,36.047 27.379,36.047 K2.3
NetK2_4: K2.4 X5.1 | length 9.4
  Top Layer w2: X5.1 7.775,30.95 K2.4
NetK2_5: K2.5 X5.2 | length 10.1
  Top Layer w2: X5.2 11.475,37.65 K2.5
NetR10_2: R10.2 SB3.2 | length 10.8
  Top Layer w2: SB3.2 68.509,92.4 R10.2
NetR11_2: R11.2 SB4.2 | length 23.3
  Top Layer w2: SB4.2 56.85,96.625 68.234,96.625 69.009,95.85 R11.2
NetR14_2: R14.2 U3.7 VT2.2 | length 22.3
  Bottom Layer w1: U3.7 19.096,73.571 24.612,68.054 24.612,65.713 VT2.2 24.645,65.72 24.645,66.568 28.482,70.405 R14.2
NetU1_4: U1.4 U1.16 С7.2 | length 17.6
  Bottom Layer w0.6: U1.16 90.475,62.445 90.945,61.975 90.982,61.975 94.322,58.635 U1.4@95.075,58.635 ; С7.2 94.825,49.094 94.275,49.644 94.275,57.882 94.604,58.211 94.651,58.211 U1.4@95.075,58.635 ; U1.4 U1.4@95.075,58.635
NetU1_5: U1.5 X1.3 | length 59.3
  Bottom Layer w0.6: U1.5 96.632,57.375 100.829,61.572 110.222,61.572 120,71.35 122.658,71.35 137.981,86.674 140.855,86.674 X1.3
NetU1_6: pad.81 U1.6 X1.2 | length 62.5
  Top Layer w1: pad.81 101.452,60.502 113.439,60.502 114.8,59.14 123.921,59.14 139.025,74.245 139.025,80.243 X1.2
  Bottom Layer w0.6: U1.6 97.055,56.105 pad.81
NetU1_7: U1.7 Z1.1 С8.1 | length 25.3
  Top Layer w1: С8.1 101.085,54.637 Z1.1
  Bottom Layer w0.6: U1.7 101.283,54.835 Z1.1
NetU1_8: U1.8 Z1.2 С9.1 | length 25.4
  Top Layer w1: С9.1 101.035,44.511 105.4,48.876 Z1.2
  Bottom Layer w0.6: U1.8 104.666,53.585 105.156,54.075 Z1.2
NetU2_3: U2.3 U2.5 X2.2 X2.3 | length 9.9
  Bottom Layer w0.6: U2.5 80.05,65.375 80.607,65.375 81,64.982 81,64.776 81.351,64.425 U2.3@82.45,64.425 ; X2.2 81.765,63.74 U2.3@82.45,64.425 ; U2.3 U2.3@82.45,64.425
  Bottom Layer w2: X2.3 X2.2
RX1: D6.28 pad.67 pad.69 X6.2 | length 51.6
  Top Layer w0.8: pad.69 59.307,67.625 59.851,67.081 60.441,67.081 60.862,66.66 60.862,65.831 D6.28
  Top Layer w1.5: X6.2 24.65,46.28 25.353,45.577 25.353,45.078 25.968,44.463 28.412,44.463 36.7,52.75 pad.67
  Bottom Layer w0.8: pad.67 36.775,55.575 38.045,55.575 38.698,56.228 49.572,56.228 50.494,57.15 51.759,57.15 56.922,62.313 56.922,62.456 57.938,63.472 57.938,66.363 pad.69
TX1: D6.27 pad.63 pad.64 pad.65 pad.66 X6.3 | length 61.3
  Top Layer w1: pad.66 56.077,68.9 56.502,69.325 60.625,69.325 62.232,67.718 D6.27
  Top Layer w1.5: X6.3 22.11,50.012 24.349,52.251 32.626,52.251 pad.63 ; pad.64 43.25,65.975 45.775,68.5 pad.65
  Bottom Layer w1: pad.65 50.63,68.5 51.626,67.503 54.704,67.503 56.025,68.824 pad.66
  Bottom Layer w1.5: pad.63 34.925,64.725 pad.64
pads on no net: D1.6 D2.4 D4.4 D5.7 D6.4 D6.5 D6.19 D6.20 D6.24 D6.32 HG1.7 HG1.8 HG1.9 HG1.10 U1.9 U1.10 U1.11 U1.12 U1.13 U1.14 U1.15 U3.13 VT1.1 VT1.2 VT1.7 VT1.8 X4.3 X4.5 X6.5 X6.6 XS1. XS1.1 XS1.8 XS1.9 XS1.G1 XS1.G2 XS1.G3 XS1.G4

## Polygon pours and split planes (outlines as drawn)
GND on Bottom Layer "Botton Layer GND" (solid, remove dead copper, pour order 0): 0,100 150,100 150,0 0,0
GND on Top Layer "Botton Layer GND" (solid, remove dead copper, pour order 1): 0,100 150,100 150,0 0,0

## Keep-outs
Keep-Out Layer:
  the board outline again, w1

## Silkscreen, mask and mechanical layers (free items; w line width, h text height)
Mechanical 7:
  text "BOASFORMAT|А4x3|1|0|883070867|248031496|1000000000|2:1|" at -72.5,2530 h0
  text "BOASVIADRILLTABLE:none,472441,52" at -72.5,-10 h0
  text "2BOASDRILLTABLE:none,236220,есть,32,True|none,275600,есть,3,True|none,280000,есть,82,True|none,300000,есть,3,True|none,350000,есть,44,True|none,354000,есть,22,True|none,354340,есть,2,True|none,380000,есть,8,True|none,393700,есть,16,True|none,433080,есть,4,True|none,472000,есть,6,True|none,511820,есть,10,True|none,590560,есть,2,True|none,629920,есть,10,True|none,787402,есть,2,True|none,866142,есть,2,True|none,984260,есть,2,True" at -72.5,-10 h0
Top 3D Модели:
  lines w0.18: 367.5,2243 432.5,2243 ; 367.5,2248 432.5,2248 ; 367.5,2253 432.5,2253 ; 367.5,2258 432.5,2258 ; 367.5,2263 432.5,2263 ; 367.5,2278 432.5,2278 ; 367.5,2283 432.5,2283 ; 367.5,2288 432.5,2288 ; 507.46,2258 507.46,2273 ; 512.48,2258 512.48,2273 ; -72.5,2233 -72.5,2530 557.5,2530 557.5,2233 -72.5,2233
  lines w0.6: -64.5,2263 -52.5,2263 ; -64.5,2298 -52.5,2298 ; -64.5,2323 -52.5,2323 ; -64.5,2348 -52.5,2348 ; -64.5,2465 -52.5,2465 ; -59.5,2238 -59.5,2383 ; -59.5,2405 -59.5,2525 ; -52.5,2383 -64.5,2383 -64.5,2238 -52.5,2238 ; -52.5,2405 -64.5,2405 -64.5,2525 -52.5,2525 ; -52.5,2511 17.5,2511 17.5,2525 ; 367.5,2238 367.5,2293 552.5,2293 ; 367.5,2268 432.5,2268 ; 367.5,2273 432.5,2273 ; 374.5,2268 374.5,2293 ; 384.5,2238 384.5,2293 ; 407.5,2238 407.5,2293 ; 422.5,2238 422.5,2293 ; 432.5,2238 432.5,2293 552.5,2293 ; 432.5,2253 502.5,2253 552.5,2253 ; 432.5,2278 552.5,2278 ; 502.5,2238 502.5,2278 ; 502.5,2258 552.5,2258 ; 502.5,2273 517.5,2273 552.5,2273 ; 517.5,2258 517.5,2278 ; 523.07,2253 523.07,2258 ; 534.5,2258 534.5,2278 ; 552.5,2301 552.5,2293 ; -52.5,2238 552.5,2238 552.5,2525 -52.5,2525 ; -52.5,2238 -52.5,2525
  text "Перв. примен." at -60.525,2484.382 h5.38 r90
  text "Справ. №" at -60.525,2427.783 h5.38 r90
  text "Подп. и дата" at -60.525,2355.969 h5.38 r90
  text "Инв. № дубл." at -60.525,2326.461 h5.38 r90
  text "Взам. инв. №" at -60.525,2301.506 h5.38 r90
  text "Лит." at 506.828,2274.025 h5.38
  text "Масса" at 521.61,2274.025 h5.38
  text "Масштаб" at 536.637,2274.025 h5.38
  text "Подп. и дата" at -60.525,2272.469 h5.38 r90
  text "Изм." at 368.186,2269.025 h5.38
  text "Лист" at 375.524,2269.025 h5.38
  text "№ докум." at 389.771,2269.025 h5.38
  text "Подп." at 411.422,2269.025 h5.38
  text "Дата" at 423.465,2269.025 h5.38
  text "Разраб." at 368.033,2263.771 h5.38
  text "14 г" at 522.093,2263.392 h7.68
  text "2:1" at 540.418,2263.392 h7.68
  text "Пров." at 368.033,2258.771 h5.38
  text "Т.контр." at 368.033,2253.771 h5.38
  text "Лист" at 503.942,2253.771 h5.38
  text "Листов" at 524.985,2253.771 h5.38
  text "1" at 544.923,2253.771 h5.38
  text "Н.контр." at 368.033,2243.771 h5.38
  text "Инв. № подл." at -60.525,2241.461 h5.38 r90
  text "Утв." at 368.033,2238.771 h5.38
  text "Копировал" at 443.033,2233.771 h5.38
  text "Формат" at 513.033,2233.771 h5.38
  text "А4x3" at 532.676,2233.771 h5.38

## Dimensions
150,100 to 150,0 on Размеры
0,100 to 150,100 on Размеры

## Text inside footprints (layer, text, board x,y; h text height)
HA1: Top Overlay "+" at 63.102,36.416 h1.27 r359.98